# Allegro board mini_trx_layout.brd (continued)
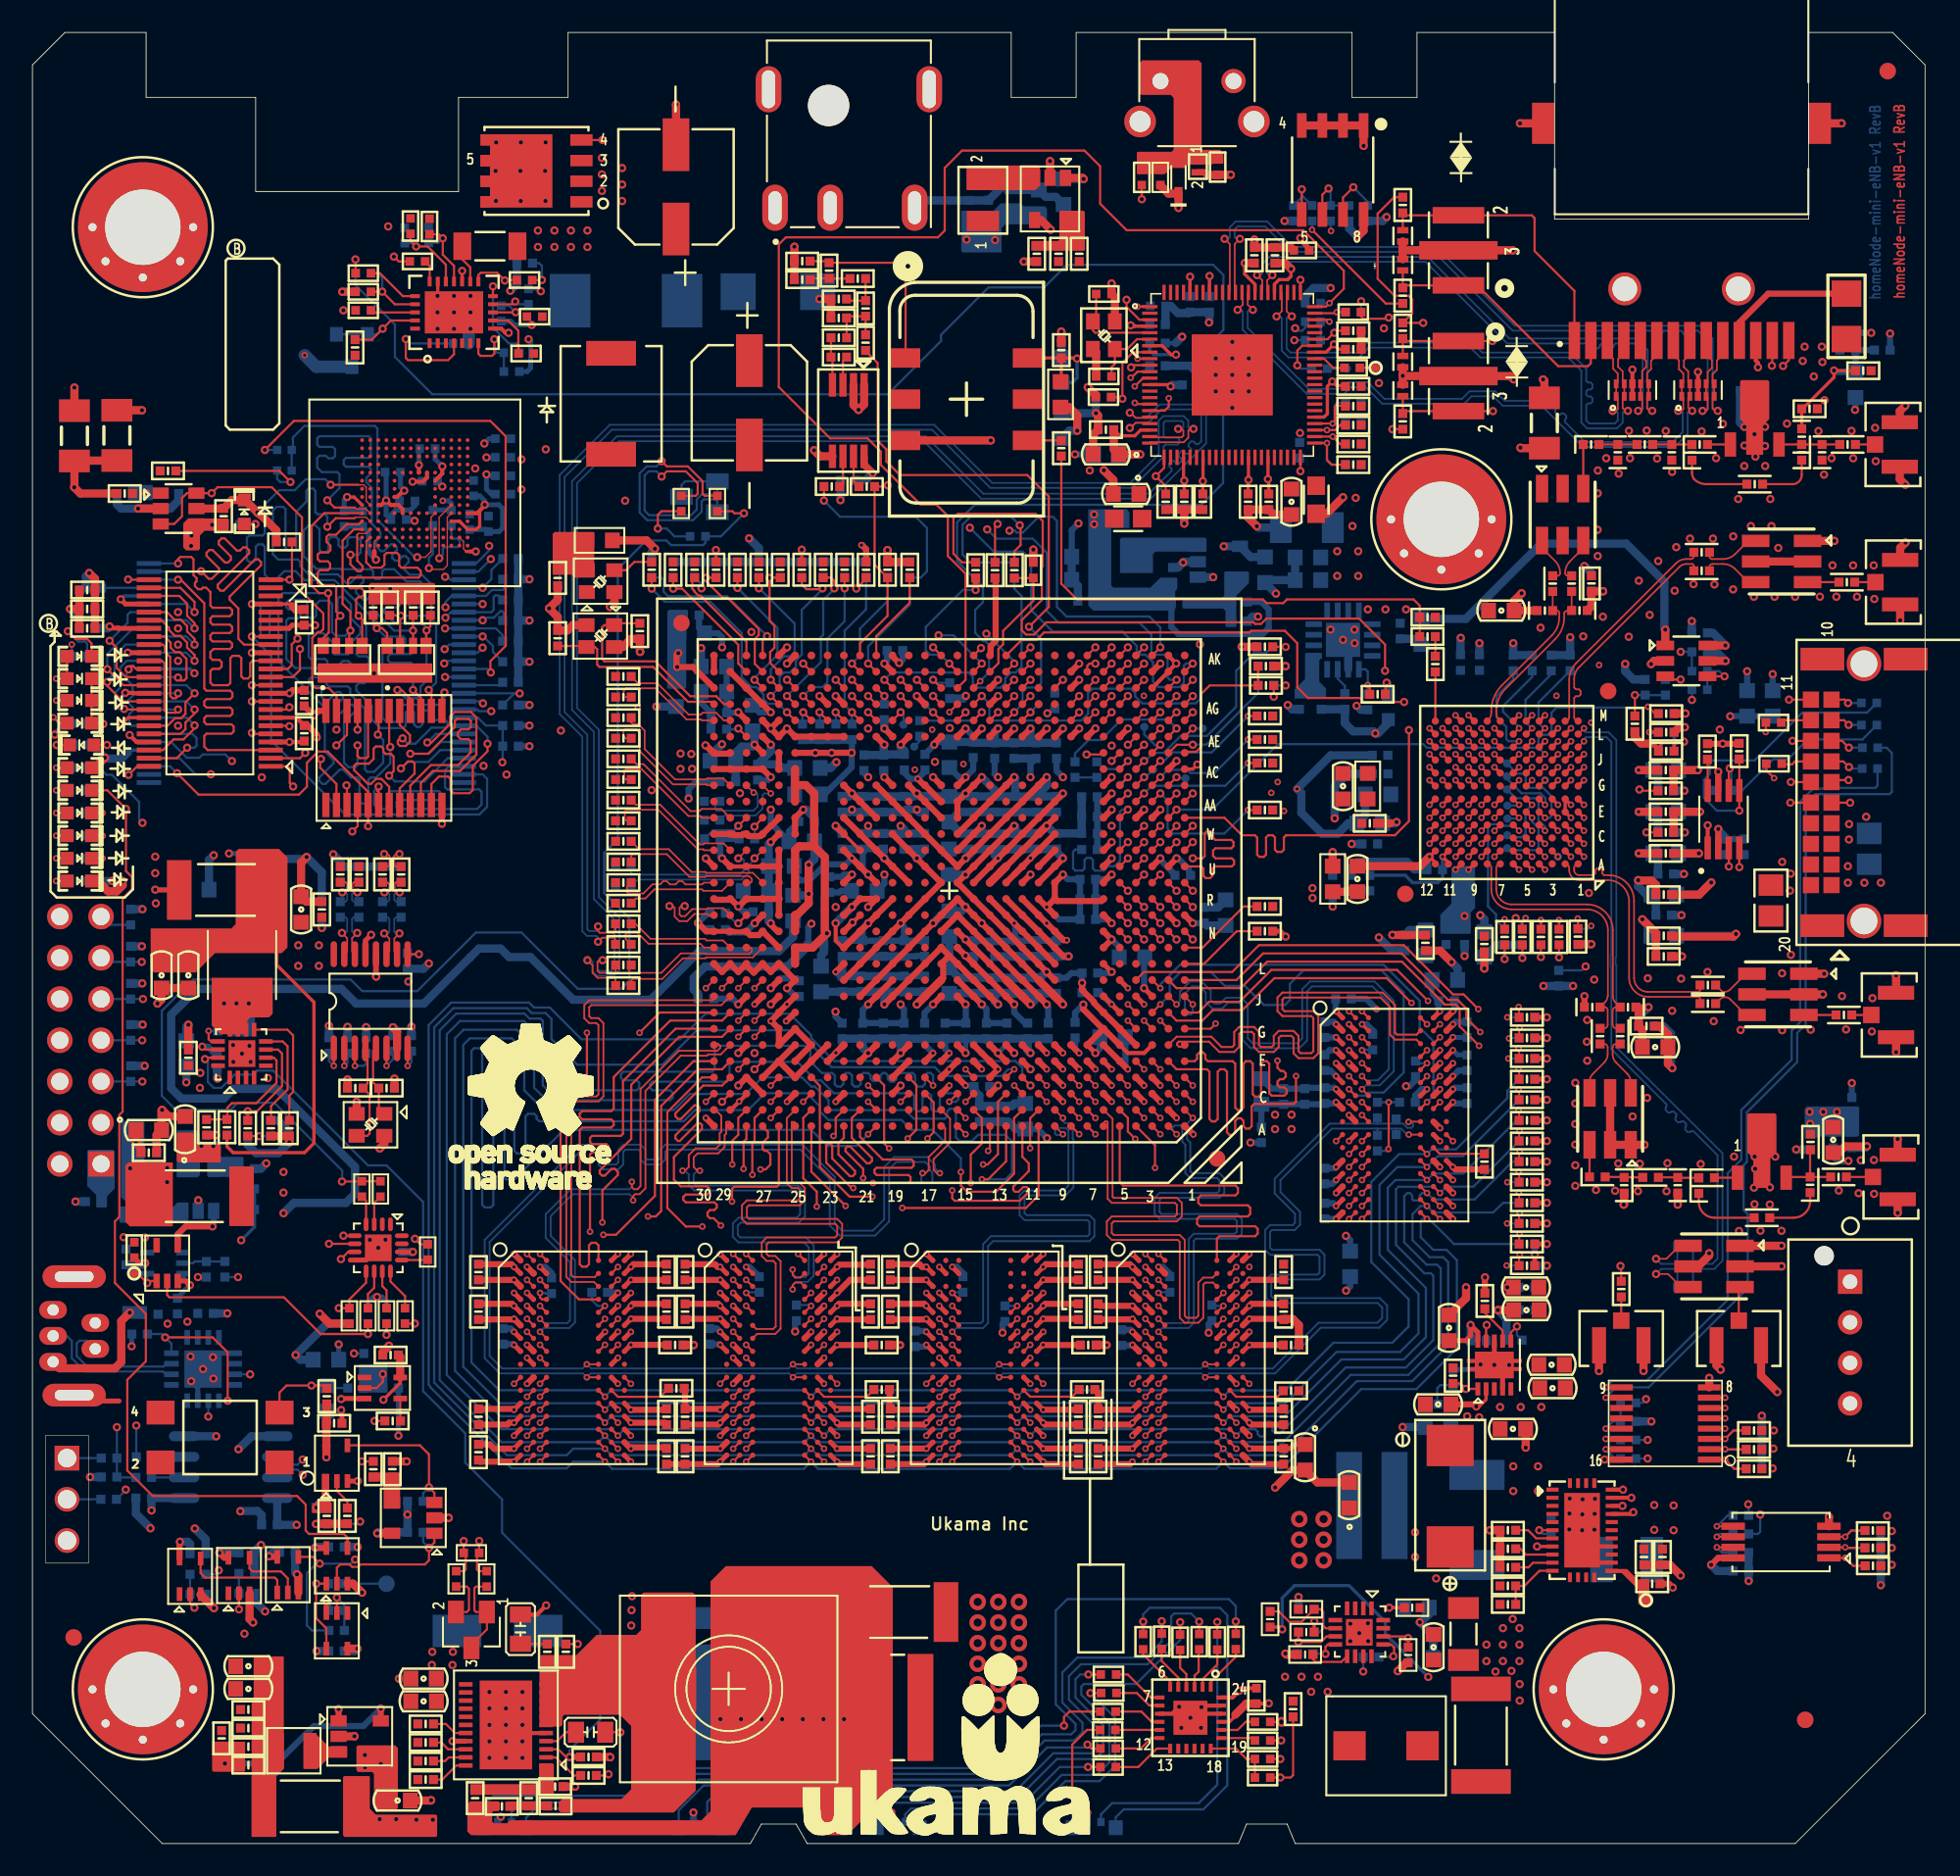
[diagram p0: board, top side]
## Nets (continued)
7130_VDD_PG: R233.2 R292.2 U7.3(PGOOD) U14.15(EN)
7130_VREFCA: C254.1 C311.1 C369.1 C383.1 C391.1 C392.1 C404.1 R313.1 R424.2 U11.H1(VREFDQ) U11.M8(VREFCA) U15.H1(VREFDQ) U15.M8(VREFCA) U23.H1(VREFDQ) U23.M8(VREFCA) U30.H1(VREFDQ) U30.M8(VREFCA) U35.H1(VREFDQ) U35.M8(VREFCA)
7130_VTT: C166.1 C167.1 C168.1 C438.1 C439.1 C449.1 C450.1 R216.2 R217.2 R218.2 R219.2 R220.2 R221.2 R222.2 R223.2 R224.2 R225.2 R226.2 R227.2 R228.2 R452.2 R453.2 R454.2 R455.2 R456.2 R457.2 R458.2 R459.2 R460.2 R461.2 R462.2 R463.2 U42.3(VO) U42.5(VOSNS)
7130_WDI: R8.2 U1.AF13(GPIO5)
AD936X_1V3: C400.1 C411.1 C417.1 L14.1 L15.1 L29.1 L30.1 L31.1 L32.1 L38.1 L39.1 L41.1 R448.2 U65.10(VOUT#10) U65.11(VOUT#11) U65.12(VOUT#12) U65.13(VOUT#13) U65.14(VOUT#14)
AD936X_1V3_PG: R114.2 R450.2 U65.5(PG)
AD936X_1V8: C393.1 C407.1 L28.2 R188.1 R191.1 R192.1 R193.1 R195.1 U3.H12(VDD_INTERFACE)
AD936X_CLKOUT: J18.1 R439.1
AD936X_RESET_L: C133.1 R160.2 R188.2 U3.K5(RESETB)
AD936X_SYNCIN: R468.1 U3.H5(SYNC_IN)
ALLPOWER_PG: U32.4(Y) U34.1(A)
BLUE1: LED11.1(B) R568.1
BLUE2: LED12.1(B) R569.1
BLUE3: LED13.1(B) R570.1
BLUE4: LED14.1(B) R571.1
BUTTON_RESET_IN: R108.1 U1.AF15(GPIO18/PCM_FSYNC0)
BUTTON_RESET_OUT: R372.2 U1.AG16(GPIO19/PCM_BCLK0)
C2_LED_P1_LED0: LED22.1 R617.1 U243.9(C2_LED/P1_LED0/LED_SEL)
CALL_LED: LED8.2 U1.AK16(GPIO15/PCM_BCLK1)
CH1_PA_TEMP_SNS: R100.1 U20.9(P4)
CH2_PA_TEMP_SNS: R626.1 U20.10(P5)
CHASIS_GND: C1.1(A[0]) C3.3(G) C4.3(G) C5.1(A[0]) C19.1(A[0]) D1.2 D2.2 D3.2 D4.2 H1.1 H1.3 H1.4 H1.5 H1.6 H1.7 H2.1 H2.3 H2.4 H2.5 H2.6 H2.7 J12.S1(SHIELD1) J12.S2(SHIELD2) J22.S1(SHIELD) J22.S2(SHIELD__1)
CONFIG_RST_SW: R10.1 R22.2
CRITICAL_TEMP_ALERT: R176.1 R182.2 U5.2(B)
DC_IN_12V: D27.1(ANODE) D28.1 J22.1
DC_OK: R378.2 U16.1(A) U18.4(Y)
DEBUG_USBDM: J7.2(D-) U26.7(USBDM)
DEBUG_USBDP: J7.3(D+) U26.6(USBDP)
EE_CLK_C0_LED_P2_LED0: LED19.1 LED20.1 R612.2 U243.12(EE_CLK/C0_LED/P2_LED0/FLOW)
EE_DOUT_C1_LED: LED21.1 R611.2 R615.1 U243.11(EE_DOUT/C1_LED)
EEPROM_WP: R401.1 U1.AJ15(GPIO14/PCM_FSYNC1)
EFUSE_IN_12V: C607.1 C608.1 D27.2(CATHODE) R547.2 R549.2 R550.2 U246.15(VIN) Z1.1(CATHODE)
EMMC_3V3: C372.1 C374.1 C375.1 C376.1 C377.1 C379.1 C381.1 C382.1 C384.1 C385.1 C386.1 C387.1 NR1.1(N1) NR1.2(N2) NR1.3(N3) NR1.4(N4) NR2.1(N1) NR2.2(N2) NR2.3(N3) NR2.4(N4) R106.1 R159.2 R168.2 R170.2 R174.2 R178.2 R419.1 R420.1 U24.4(D2) U29.C6(VCCQ1) U29.E6(VCC1) U29.F5(VCC2) U29.J10(VCC3) U29.K9(VCC4) U29.M4(VCCQ2) U29.N4(VCCQ3) U29.P3(VCCQ4) U29.P5(VCCQ5)
EMMC_CLK: R420.2 U27.21(B2) U29.M6(CLK)
EMMC_CMD: R419.2 U27.22(B1) U29.M5(CMD)
EMMC_D0: NR1.6(N6) U27.20(B3) U29.A3(DATA0)
EMMC_D1: NR1.7(N7) U27.19(B4) U29.A4(DATA1)
EMMC_D2: NR1.8(N8) U27.18(B5) U29.A5(DATA2)
EMMC_D3: NR1.5(N5) U27.17(B6) U29.B2(DATA3)
EMMC_D4: NR2.5(N5) R178.1 U27.16(B7) U29.B3(DATA4)
EMMC_D5: NR2.6(N6) R174.1 U27.15(B8) U29.B4(DATA5)
EMMC_D6: NR2.7(N7) R170.1 U27.14(B9) U29.B5(DATA6)
EMMC_D7: NR2.8(N8) R168.1 U27.13(B10) U29.B6(DATA7)
ENODEB_IN_12V: C40.2 C41.1 C48.1 C609.1 C657.1 J1.1 J1.2 J23.1 J23.2 Q1.1(S1) Q1.2(S2) Q1.3(S3) R548.2 U8.18(EN) U8.20(PVIN1) U8.21(PVIN2) U8.22(PVIN3) U246.12(OUT)
ETH_SWITCH_RST: R603.2 R604.2 U1.AJ13(GPIO6)
ETH_SWT_INT: R593.2 U1.AH15(GPIO13/PCM_DATA3) U243.66(NTN)
ETH_SWT_LED1_N: LED19.2 R588.1 R614.1 R616.2
ETH_SYNCE: R610.2 U1.AK13(GPIO3)
GPIO11: U1.AK15(GPIO11)
GREEN1: LED11.4(G) R572.1
GREEN2: LED12.4(G) R573.1
GREEN3: LED13.4(G) R574.1
GREEN4: LED14.4(G) R575.1
IO_EXP_INTN: R359.1 U1.AK12(GPIO4)
IOEXP_ADDR0: R204.1 R205.2 U20.1(A0)
IOEXP_ADDR1: R206.1 R207.2 U20.2(A1)
IOEXP_ADDR2: R208.1 R209.2 U20.3(A2)
LED_DRIVER_RST_L: R576.1 R584.1 U1.AG14(GPIO9)
LNA_EN: J23.6 R473.2
MASK_PCIE_RXN: C255.1
MASK_PCIE_RXP: C256.1
MASK_PCIE_TXN: C74.2
MASK_PCIE_TXP: C75.2
MB_I2C_SCL_3P3: R169.2 R358.1 R562.1 R579.1 R622.2 U254.3(SCL1)
MB_I2C_SDA_3P3: R171.2 R357.1 R561.1 R582.1 R623.2 U254.4(SDA1)
MMC_ISOLATE#: R161.1 U24.3(G2) U24.6(D1) U27.23(\\O\E\)
MPG: LED5.1 R236.2 U42.9(PGOOD)
NC1: U1.W5(NC1)
NC2: U1.AK1(NC2)
NO_CPU: R600.2 R601.1 U243.45(P0_OUTD[3]/NO_CPU)
P0_MODE_0: R589.2 R590.1 U243.48(P0_OUTD[0]/P0_MODE[0])
P0_MODE_1: R591.2 R594.1 U243.47(P0_OUTD[1]/P0_MODE[1])
P0_MODE_2: R596.2 R597.1 U243.46(P0_OUTD[2]/P0_MODE[2])
P5_SMODE: R602.2 R605.1 U243.8(C3_LED/P1_LED1/P5_SMODE)
PA_DRIVER_EN: J23.5 R471.2
PA_EN: J23.15 R470.2
PA_ETH_D0N: J12.4(D1-) U243.70(P1_MDIN[0]) U252.2(D1-) U252.9(NC9)
PA_ETH_D0P: J12.3(D1+) U243.69(P1_MDIP[0]) U252.1(D1+) U252.10(NC10)
PA_ETH_D1N: J12.6(D2-) U243.73(P1_MDIN[1]) U252.5(D2-) U252.6(NC6)
PA_ETH_D1P: J12.5(D2+) U243.72(P1_MDIP[1]) U252.4(D2+) U252.7(NC7)
PA_ETH_D2N: J12.8(D3-) U243.76(P1_MDIN[2]) U253.2(D1-) U253.9(NC9)
PA_ETH_D2P: J12.7(D3+) U243.75(P1_MDIP[2]) U253.1(D1+) U253.10(NC10)
PA_ETH_D3N: J12.10(D4-) U243.78(P1_MDIN[3]) U253.5(D2-) U253.6(NC6)
PA_ETH_D3P: J12.9(D4+) U243.77(P1_MDIP[3]) U253.4(D2+) U253.7(NC7)
PCIE0_CLKN: R118.1
PCIE0_CLKP: R119.1
PCIE0_RXN: C72.2
PCIE0_RXP: C73.2
PCIE0_TXN: C243.1
PCIE0_TXP: C244.1
PCIE_REFCLKN: C253.2
PCIE_REFCLKP: C250.2
POWER_EN: R288.1 U5.4(Y) U63.1(EN) U69.1(EN)
PUSH_RESET: C238.1 R300.1 R303.2 SW1.3
R0_LED/P4_LED0/ADDR[0]N: R588.2 U243.17(R0_LED/P4_LED0/ADDR[0]N)
R1_LED/P3_LED1/ADDR[1]N: R587.2 U243.16(R1_LED/P3_LED1/ADDR[1]N)
RED1: LED11.3(R) R580.1
RED2: LED12.3(R) R581.1
RED3: LED13.3(R) R577.1
RED4: LED14.3(R) R578.1
RF_1V8: C112.1 C420.1 C421.1 L12.1 L28.1 U25.1(VCCA) U65.1(VIN#1) U65.2(VIN#2) U65.3(VIN#3) U65.4(EN) U65.15(VIN#15) U65.16(VIN#16)
RF_3V3: C122.1 C437.1 L11.1 L13.2 L33.1 L44.2 L46.2 R450.1 R618.2 U25.5(OE) U25.6(VCCB)
RF_5V: L51.1 L52.2 L53.2
RF_CLK_IN: R201.1 R203.1 R211.2
RF_GPO0: TP33.1(PAD) U1.AB5(RF_GPO0)
RF_GPO1: TP37.1(PAD) U1.AB2(RF_GPO1)
RF_GPO2: TP35.1(PAD) U1.AB4(RF_GPO2)
RF_GPO3: TP32.1(PAD) U1.AA5(RF_GPO3)
RF_RESET_L: R160.1 U25.3(A)
RSVD1: U1.L2(RSVD1)
RSVD2: U1.L3(RSVD2)
RSVD3: U1.L4(RSVD3)
RSVD4: U1.L5(RSVD4)
RSVD5: U1.M2(RSVD5)
RSVD6: U1.M3(RSVD6)
RSVD7: U1.M4(RSVD7)
RSVD8: U1.M5(RSVD8)
RSVD9: U1.AD28(RSVD9)
RSVD10: U1.AF18(RSVD10)
RSVD11: U1.AG19(RSVD11)
RSVD12: U1.AG28(RSVD12)
RSVD13: U1.AK29(RSVD13)
RUN_LED: LED7.2 U1.AG15(GPIO16/PCM_DATA0)
RX: J8.1 R175.1
RX1A_ADI: C174.2 U40.3(IN)
RX1C: J11.1 U43.3(IN)
RX2A_ADI: C173.2 U39.3(IN)
SW_CNTRL: J23.16 R472.2
SYS_5V_PG: U33.4(Y) U34.2(B)
SYS_DC_OK: R97.2 R380.1 U1.AD4(PLL_DC_OK) U34.4(Y)
SYS_RST_L: LED4.2 R2N1.1(A[0]) R4.2 R583.1 R606.2 U1.AH19(CHIP_RESET_L) U16.4(Y) U64.14(RESET#)
TX: J8.2 R183.1
TX1A: C442.2 U66.3(IN)
TX2A: C443.2 U67.3(IN)
UNNAMED_101_NPN_I2_B: Q32.1(B) Q32.3(C) R451.2
UNNAMED_101_NPN_I2_E: Q32.2(E) R467.2
UNNAMED_101_NPN_I19_B: Q31.1(B) Q31.3(C) R422.2
UNNAMED_101_NPN_I19_E: Q31.2(E) R423.2
USB_5V: C123.2 C129.2 R409.1 R411.1 U26.10(VCC) U31.8(VDD2)
USB_RXD: U26.2(RXD) U31.6(VOB)
USB_TXD: U26.15(TXD) U31.7(VIA)
USB_XI: C62.1 U1.AG30(USB_XI) Y2.3
USB_XO: C79.1 U1.AG29(USB_XO) Y2.1
VAUX: U246.24(VAUX)
WP_CAL: J23.11 U20.7(P3)
XTAL_IN: C650.1 U243.5(XTAL_IN) Y4.3
XTAL_OUT: C652.1 U243.6(XTAL_OUT) Y4.1
N377045: C427.2 L37.1 U3.A8(TX2A_P)
N377347: C425.2 L35.1 U3.A7(TX2A_N)
N377425: C146.2 U3.M2(RX1A_N)
N377445: C426.2 L36.1 U3.M8(TX1A_N)
N377469: C422.2 L34.1 U3.M7(TX1A_P)
N377587: C140.2 U3.M12(XTALN)
N377631: C149.2 U3.M1(RX1A_P)
N377739: R445.1 U3.C5(CTRL_IN0)
N377759: R444.1 U3.C6(CTRL_IN1)
N377819: R235.2 U3.L4(RBIAS)
N377823: C162.2 U3.K1(RX1C_P)
N377835: C161.2 U3.L1(RX1C_N)
N378105: R439.2 U3.J6(CLK_OUT)
N378375: TP44.1(PAD) U3.E6(CTRL_OUT3)
N378383: TP42.1(PAD) U3.E5(CTRL_OUT2)
N378391: TP38.1(PAD) U3.E4(CTRL_OUT1)
N378587: TP40.1(PAD) U3.D4(CTRL_OUT0)
N378731: R465.1 U3.D5(CTRL_IN3)
N378743: R466.1 U3.D6(CTRL_IN2)
N379365: R472.1 U3.B5(GPO_2)
N379519: R234.1 U3.L5(AUXADC)
N379621: C140.1 R201.2
N436789: C399.2 R438.1 U3.A11(VDDA1P1_TX_VCO) U3.B11(TX_VOC_LDO_OUT)
N436822: C395.1 R438.2
N440605: R470.1 U3.B4(GPO_3)
N440917: R471.1 U3.B6(GPO_1)
N441229: R473.1 U3.B7(GPO_0)
N450143: TP43.1(PAD) U3.F6(CTRL_OUT4)
N450443: TP41.1(PAD) U3.F5(CTRL_OUT5)
N450447: TP39.1(PAD) U3.F4(CTRL_OUT6)
N470883: C172.1 R237.2
N470887: C171.1 R237.1 U3.G2(RX_VCO_LDO_OUT) U3.G3(VDDA1P1_RX_VCO)
N497620: C149.1 U40.4(OUT1)
N497678: C146.1 U40.6(OUT2)
N506018: C161.1 U43.4(OUT1)
N506026: C162.1 U43.6(OUT2)
N538044: C422.1 U66.4(OUT1)
N538079: C426.1 U66.6(OUT2)
N541425: C425.1 U67.6(OUT2)
N541429: C427.1 U67.4(OUT1)
N635710: TP45.1(PAD) U3.B3(AUXDAC1)
N685064: R469.2 U3.G5(EN_AGC)
N685410: TP46.1(PAD) U3.G4(CTRL_OUT7)
N16949910: C63.1 L9.1 U12.4(VDD)
N16950256: R124.1 U12.3(OUTPUT)
N16950409: TP28.1(PAD) U1.AH17(MSC_SYS_CLKOUT)
N16950424: TP26.1(PAD) U1.AG18(MSC_DSP_CLKOUT)
N16950483: TP27.1(PAD) U1.AH18(MSC_HAB_CLKOUT)
N16950542: TP29.1(PAD) U1.AF16(MSC_CLKOUT)
N16958600: R330.1 U1.AK27(PLL_QLM_REF_CLK_EN)
N17011792: C274.1 C278.1 C293.1 L26.1 U1.AA25(VDD_QLM1_3) U1.AB25(VDD_QLM1_4) U1.AC25(VDD_QLM1_5) U1.L25(VDD_QLM0_1) U1.M25(VDD_QLM0_2) U1.R25(VDD_QLM0_3) U1.T25(VDD_QLM0_4) U1.U25(VDD_QLM1_1) U1.V25(VDD_QLM1_2)
N17013104: C270.1 C271.1 L24.1 U1.N25(VDDTX_QLM0_1) U1.P25(VDDTX_QLM0_2) U1.W25(VDDTX_QLM1_3) U1.Y25(VDDTX_QLM1_4)
N17041994: C262.1 C264.1 L23.1 U1.N26(VDD_QLM0_PLL) U1.W26(VDD_QLM1_PLL)
N17127103: R343.2 U1.P28(QLM0_BAND_RES)
N17127140: R344.2 U1.P27(QLM0_COMP_RES)
N17127277: C64.2 U1.M27(QLM0_RXP0)
N17127320: C65.2 U1.M28(QLM0_RXN0)
N17127662: C67.1 U1.M29(QLM0_TXP0)
N17127699: C66.1 U1.M30(QLM0_TXN0)
N17247286: R233.1 U42.7(EN)
N17247308: C165.1 U42.6(REFOUT)
N17255903: C456.1 R474.2 R475.1 U42.1(REFIN)
N17264878: R189.2 U1.L1(DDR_COMP_DN)
N17264907: R190.2 U1.M1(DDR_COMP_DP)
N17308586: R345.2 U1.AE28(USB_REXT)
N17347925: R431.1 U64.16(WP#/VPP)
N17347927: R390.1 U64.53(BYTE#)
N17352153: R162.2 U22.1(1\O\E\) U22.24(2\O\E\)
N17383137: TP31.1(PAD) U1.AF11(BOOT_DIR)
N17412446: R199.2 U1.AC4(VDD_SMI)
N17420989: R127.2 U1.AK28(QLM1_COM_CLK_EN)
N17613979: TP25.1(PAD) U1.AF19(JTG_TDO)
N19816570: R416.1 U1.AC5(PERST0_L)
N22620877: R214.2 U35.L8(ZQ)
N22623748: R126.2 U11.L8(ZQ)
N22624855: R163.2 U23.L8(ZQ)
N22625970: R200.2 U30.L8(ZQ)
N22627093: R151.2 U15.L8(ZQ)
N22643259: R440.2 U35.D3(DMU)
N22645297: R443.2 U35.E7(DML)
N22648611: R418.2 U30.D3(DMU)
N22651614: R421.2 U30.E7(DML)
N22654933: R356.2 U15.D3(DMU)
N22658266: R366.2 U15.E7(DML)
N22662338: R317.2 U11.D3(DMU)
N22664619: R324.2 U11.E7(DML)
N22669063: R408.2 U23.E7(DML)
N22670170: R405.2 U23.D3(DMU)
N22844512: C423.1 R441.2 R442.2
N26040487: J5.13 R318.2
N26040723: R391.2 U1.AH20(JTG_TRST_L)
N27121622: LED9.1 R111.1
N27122589: LED7.1 R107.1
N27122595: LED8.1 R109.1
N27144602: C30.2 U4.9(SS/TR)
N27144604: C202.2 L3.1 U4.10(PH#10) U4.11(PH#11) U4.12(PH#12)
N27144606: C27.1 R286.1 U4.7(COMP)
N27144621: C201.1 R286.2
N27144623: C28.1 C29.1 L3.2 R61.2 R67.1
N27144635: C202.1 U4.13(BOOT)
N27144645: R61.1 R62.2 U4.6(VSENSE)
N27144685: R63.2 U4.8(RT/CLK)
N27144921: C94.2 U14.9(SS/TR)
N27144923: C247.2 L10.1 U14.10(PH#10) U14.11(PH#11) U14.12(PH#12)
N27144925: C267.1 R137.1 U14.7(COMP)
N27144937: C266.1 R137.2
N27144939: C76.1 C77.1 L10.2 R112.1 R135.2
N27144954: C247.1 U14.13(BOOT)
N27144964: R135.1 R136.2 U14.6(VSENSE)
N27144986: R138.2 U14.8(RT/CLK)
N27169203: C37.1 U7.18(VREG)
N27169238: R87.1 U7.20(MODE)
N27169273: R73.1 U7.22(RF)
N27169308: R78.1 U7.21(TRIP)
N27171135: C214.1 R289.2
N27171149: R289.1 U7.4(VBST)
N27171184: C214.2 C215.2 L8.1 R68.1 U7.6(LL#6) U7.7(LL#7) U7.8(LL#8) U7.9(LL#9) U7.10(LL#10) U7.11(LL#11)
N27171634: C52.1 C53.1 C54.1 C55.1 C204.2 L8.2 R69.2 R71.1 R72.1
N27171650: C35.1 R69.1 R70.2 U7.1(VFB)
N27171802: C35.2 C204.1 R68.2
N27174773: C215.1 R291.2
N27178741: R288.2 U7.2(EN)
N27215911: R435.2 R437.2 U33.2(A)
N27215928: R110.1 U10.1(RESET#) U16.2(B)
N27216005: C276.1 R380.2 U18.2(A)
N27216243: C397.1 R436.2 U32.2(A)
N27216779: C211.1 R293.2 U6.2(A)
N27430859: TP3.1(PAD) U5.1(A) U6.4(Y)
N28291570: C91.1 U13.4(X1/CLK) Y3.3
N28291594: C80.1 U13.5(X2) Y3.1
N28292228: C246.1 R331.2 R332.2
N28292234: C250.1 R334.2 R336.2
N28292240: C253.1 R338.2 R342.2
N28292242: R338.1 U13.14(CLK0N)
N28292264: C245.1 R327.2 R328.2
N28292278: R336.1 U13.15(CLK0P)
N28292560: R117.1 U13.9(IREF)
N28293840: R331.1 U13.11(CLK1P)
N28293868: R328.1 U13.10(CLK1N)
N28294373: R132.2 U13.1(S0)
N28294754: R130.2 U13.2(S1)
N28294786: R128.2 U13.3(SS0)
N28294818: R116.2 U13.8(SS1)
N28294850: R122.2 U13.6(OE)
N28301963: R339.2 U1.Y28(QLM1_BAND_RES)
N28302006: R354.2 U1.Y27(QLM1_COMP_RES)
N28359985: R414.1 U1.AE2(PERST1_L)
N28499038: C235.1 R10.2 R300.2 U57.2(A)
N28500759: R113.1 U10.3(MR#) U17.4(Y)
N37529531: R4.1 R6.1 U25.4(B)
N37586365: C169.1 R232.1 R238.2
N37586373: C152.1 R232.2 U38.1(VG/NC)
N37586451: C154.1 C445.1 L13.1 U38.6(VCC)
N37586583: R241.2 R242.1 U44.4(VOUT)
N37586587: C182.1 R239.1 R240.2 R242.2
N37586775: R241.1 U44.3(VSENSE)
N37650909: LED3.1 R97.1
N37651458: R146.1 U17.2(B)
N37651465: R141.1 R372.1 U17.1(A)
N37686439: C436.2 U65.7(SS)
N37686485: R448.1 R449.2 U65.9(ADJ)
N38213058: R378.1 TP24.1(TP)
N38345660: C71.2 U1.T27(QLM0_RXP1)
N38345697: C70.2 U1.T28(QLM0_RXN1)
N38345795: C68.1 U1.T29(QLM0_TXP1)
N38345832: C69.1 U1.T30(QLM0_TXN1)
N38717127: R108.2 U57.4(Y)
N38737759: R164.2 R165.2 R166.2 U24.1(G1)
N38791044: R119.2 U1.Y29(QLM1_REF_CLK_P)
N38791056: R118.2 U1.Y30(QLM1_REF_CLK_N)
N38808629: R395.1 U1.AF14(GPIO12/PCM_DATA2)
N40392181: C147.2 U3.A1(RX2A_N)
N40392244: C150.2 U3.A2(RX2A_P)
N40936377: R562.2 U19.6(SCL)
N40936405: R140.2 R370.2 U19.3(A2)
N40936407: R145.2 R379.2 U19.2(A1)
N40936492: R148.2 R384.2 U19.1(A0)
N41074281: C174.1 J10.1
N41087231: C465.1 J19.1
N41087321: C654.2 R478.2
N41087323: C457.1 C465.2 C654.1 L45.1 U70.3(RFOUT/VCC)
N41087325: C451.1 C453.2 C653.2 L42.2
N41087331: C442.1 C444.1 L42.1
N41087368: C453.1 U70.1(RFIN)
N41087432: C458.2 C459.2 C461.1 L45.2 L46.1 L52.1
N41087526: C466.2 C656.1 L47.1 U71.3(RFOUT/VCC)
N41087528: C466.1 J20.1
N41087530: C656.2 R479.2
N41087548: C443.1 C447.1 L43.1
N41087557: C452.1 C454.2 C655.2 L43.2
N41087567: C454.1 U71.1(RFIN)
N41087635: C462.2 C463.2 C464.1 L44.1 L47.2 L53.1
N41094150: C173.1 J9.1
N41359438: LED6.1 R106.2
N42046315: R417.2 U1.AH9(BOOT_CE_5_L)
N42252550: R2N1.2(B[0]) R2N2.2(B[0]) U29.K5(NREST)
N42252590: C368.1 C370.1 U29.C2(VDDI)
N42378579: C132.1 R451.1 U28.6(D1+)
N42378600: C131.1 R422.1 U28.5(D2+)
N42378604: R176.2 U28.10(NTHERM)
N42378613: C131.2 C132.2 R172.1(A[0]) R177.1(A[0]) R423.1 R467.1 U28.7(D-)
N42378655: R171.1 U28.12(SDA)
N42378657: R169.1 U28.13(SCL)
N42378741: R181.1 R563.1 U28.9(ADD)
N42378749: R172.2(B[0]) U28.3(D4+)
N42378768: R177.2(B[0]) U28.4(D3+)
N42378865: R173.1 U28.11(NTHERM2)
N42383145: LED2.1 R95.1
N42450862: R180.2 U31.2(VOA)
N42450876: R184.2 U31.3(VIB)
N42451043: J7.1(VBUS) R409.2
N42451093: C116.2 U26.1(VCCIO) U26.8(3V3OUT) U26.9(RESET#)
N42452839: C157.1 C158.1 C159.1 C446.1 C455.1 L40.1 R231.1 R477.1
N42452847: C455.2 R476.2 R477.2 U69.5(VOUT/FB)
N42452875: L40.2 U69.3(SW)
N42452897: C96.1 C97.1 C268.1 C272.1 C284.1 L27.1 R149.1 R388.1
N42452899: C284.2 R375.2 R388.2 U63.5(VOUT/FB)
N42452941: L27.2 U63.3(SW)
N42624203: C222.2 L7.1 U8.1(SW1) U8.2(SW2) U8.3(SW3) U8.4(SW4) U8.5(SW5)
N42624207: C49.1 L7.2 R65.1 R75.2 U8.8(BIAS)
N42624232: R74.2 R75.1 U8.11(FB)
N42624335: C222.1 U8.6(CBOOT)
N42624343: C220.2 U8.7(VCC)
N42624475: C209.2 U8.10(SS/TRK)
N42624491: R294.2 U8.9(RT)
N42694907: R121.2 U1.AF29(USB1_DP)
N42694909: R120.2 U1.AF30(USB1_DM)
N42717331: R395.2 TP51.1(PAD)
N43067466: R1.2 R8.1 U10.4(WDI)
N43208299: R619.2 U44.7(SDA)
N43208302: R620.2 U44.6(SCL)
N43208378: R561.2 U19.5(SDA)
N43211621: C600.2 R545.2 R546.2 U83.5(VOUT/FB)
N43211663: L48.2 U83.3(SW)
N43275465: R583.2 R584.2 U242.18(RST#)
N43315191: R579.2 U242.19(SCL)
N43315200: R582.2 U242.20(SDA)
N43385255: C615.2 R585.1 R586.1 U245.5(VOUT/FB)
N43385297: L50.2 U245.3(SW)
N43486484: C611.1 U246.4(VDD)
N43486486: C612.1 U246.22(VREF)
N43486488: C613.1 U246.9(TIMER)
N43486622: R550.1 R554.2 U246.17(OVLO)
N43486628: R549.1 R553.2 U246.16(UVLO/EN)
N43486642: R552.1 U246.11(PGD)
N43486656: R548.1 R551.2 U246.7(FB)
N43486718: Q1.5(D1) Q1.6(D2) Q1.7(D3) Q1.8(D4) R547.1 U246.14(SENSE)
N43487761: R559.2 U246.19(SDA)
N43487763: R558.2 U246.20(SCL)
N43487767: R556.2 R557.2 U246.21(SMBA#)
N43539411: Q1.4(G) R555.2 U246.13(GATE)
N43728448: R604.1 R606.1 U243.67(RESETN)
N43748365: R613.1 U250.7(WP)
N43748745: R607.2 R611.1 U250.5(SDA)
N43748748: R608.2 R612.1 U250.6(SCL)
N43750978: R595.2 R599.2 U243.65(MDC_CPU)
N43750983: R592.2 R598.2 U243.64(MDIO_CPU)
N43798289: R580.2 U242.1(LED0)
N43798294: R581.2 U242.2(LED1)
N43798299: R577.2 U242.3(LED2)
N43798304: R578.2 U242.4(LED3)
N43798309: R572.2 U242.5(LED4)
N43798314: R573.2 U242.6(LED5)
N43798319: R574.2 U242.7(LED6)
N43798324: R575.2 U242.8(LED7)
N43798329: R568.2 U242.10(LED8)
N43798334: R569.2 U242.11(LED9)
N43798339: R570.2 U242.12(LED10)
N43798344: R571.2 U242.13(LED11)
N43812316: C6.2 D5.1 D6.A R18.2 R22.1 S1.2
N43976624: C610.1 R555.1
N43976789: C606.2 Q34.1(B) Q34.2(C) U246.23(DIODE)
N44032590: R564.2 R565.1 U1.AD2(SMI0_MDIO)
N44032640: R566.1 R567.2 U1.AD1(SMI0_MDC)
N44115168: LED20.2 LED21.2 LED22.2 R587.1
N44115602: J23.12 R627.1
N44115852: J23.9 R105.2
N44115875: J23.10 R628.2
N44141935: R358.2 U20.14(SCL)
N44141941: R357.2 U20.15(SDA)
N44142723: R210.2 R359.2 U20.13(INTN)
N44161184: C4.2(B) D2.1 J12.1 R614.2
N44161189: C4.1(A) D1.1 J12.2 R615.2
N44161549: C3.1(A) D4.1 J12.13 R616.1
N44161621: C3.2(B) D3.1 J12.14 R617.2
N44162954: J12.11(VCC) RV1.2
N44355657: J23.7 R100.2
N44355683: J23.8 R626.2
N44355704: R105.1 R624.2 U254.6(SCL2)
N44355710: R625.2 R628.1 U254.5(SDA2)
N44355739: R621.1 U254.8(EN)
N44356653: J23.14 R104.1
N44374793: C653.1 R478.1
N44374876: C655.1 R479.1
N44383716: C150.1 U39.4(OUT1)
N44383748: C147.1 U39.6(OUT2)
N44414319: R726.2 TP52.1(PAD)
N44414323: R727.2 TP53.1(PAD)
N44414349: R727.1 U243.60(P0_CRS/MDC_PHY/GPIO[8])
N44414351: R726.1 U243.58(P0_COL/MDIO_PHY/GPIO[7])
N373888061: LED5.2 R103.2
N375864650: R211.1 U38.4(OUTPUT)
N376509451: LED4.1 R101.1
N377864440: LED10.1 R114.1
N4337991173: R609.2 U243.1(RSET)
N4337991175: R610.1 U243.3(SE_SCLK)
N4348646421: R560.2 U246.10(PWR)

Pads without a net: J5 12; J7 4; SW1 1 4; U1 A14 A17 A18 A19 A23 AB1 AF9 AF10 AG9 AG10 AH10 AH24 AJ10 AJ16 AJ17 AJ18 AJ23 AJ25 AK8 AK9 AK17 AK18 AK23 B12 B13 B17 B18 B19 B23 C21 C23 D21 D23; U3 A3 C3 G7 H11 M3 M11; U6 1; U8 12 13 14 15 27 28 29 30; U11 J1 J9 L1 L9; U12 1; U15 J1 J9 L1 L9; U18 1; U20 11 12; U23 A2 A3 A7 B7 B8 C2 C3 C7 C8 D7 J1 J9 L1 L9; U26 4 5 11 12 14 16; U27 1; U28 1 2 15 16; U29 A1 A2 A7 A8 A9 A10 A11 A12 A13 A14 B1 B7 B8 B9 B10 B11 B12 B13 B14 C1 C3 C5 C7 C8 C9 C10 C11 C12 C13 C14 D1 D2 D3 D4 D12 D13 D14 E1 E2 E3 E5 E8 E9 E10 E12 E13 E14 F1 F2 F3 F10 F12 F13 F14 G1 G2 G3 G10 G12 G13 G14 H1 H2 H3 H5 H12 H13 H14 J1 J2 J3 J12 J13 J14 K1 K2 K3 K6 K7 K10 K12 K13 K14 L1 L2 L3 L12 L13 L14 M1 M2 M3 M7 M8 M9 M10 M11 M12 M13 M14 N1 N3 N6 N7 N8 N9 N10 N11 N12 N13 N14 P1 P2 P7 P8 P9 P10 P11 P12 P13 P14; U30 J1 J9 L1 L9; U32 1; U33 1; U35 J1 J9 L1 L9; U38 2 5; U57 1; U64 28 30; U65 8; U242 14 15 16 17; U243 2 14 15 24 25 27 28 30 31 32 33 34 35 37 38 40 41 42 43 50 51 52 53 54 55 56 57 62 63 68 79 80 82 83 85 86 87 88; U246 1 2 3

## Via types
v1: diameter 0.508, hole 0.254, TOP to BOTTOM, 1357 vias
v2: diameter 0.406, hole 0.203, TOP to BOTTOM, 827 vias
v3: diameter 0.61, hole 0.305, TOP to BOTTOM, 1 via
v4: diameter 1.016, hole 0.508, TOP to BOTTOM, 24 vias

## Routing (per net, layer and track width the routed paths; a pad name or vN(x,y) marks a point on that pad's centre or on a via; arc(x,y) is an arc through that point)
1V3_TX1: length 6.4
  TOP w0.203: U3.M10 v2(87.67,69.52) ; U3.M9 v2(88.47,69.52)
  TOP w0.508: v1(91.75,77.04) 91.28,76.58 C396.1 L36.2 ; L34.2 96.05,76.24 C416.2 96.76,77.17 v1(96.76,77.17)
  BOTTOM w0.508: C416.2 96.76,77.17 v1(96.76,77.17)
1V3_TX2: length 8.4
  TOP w0.203: U3.A10 v2(87.67,60.01) ; U3.A9 v2(88.47,60.01)
  TOP w0.381: L35.2 v1(99.56,51.54) ; L37.2 v1(95.62,52.22)
  TOP w0.508: L35.2 98.96,51.37 C144.2 99.18,50.14 C141.1
  BOTTOM w0.508: v1(99.56,51.54) 98.96,50.93 C144.2 ; C415.1 88.23,56.36 L30.2 v1(88.23,57.15)
1V5: length 69.6
  BOTTOM w0.508: v1(15.47,38.84) 16.1,39.47 19.31,39.47 19.87,40.03 19.87,41.7 15.06,46.51 12.39,46.51 11.8,45.91 9.18,45.91 8.55,46.54 8.55,51.07 10.14,52.67 19.04,52.67 19.94,51.76 24.12,51.76 26.96,54.61 27.51,55.15 28.85,55.15 29.37,54.62 30.68,54.62 33.31,51.99 38.09,51.99 41.09,54.99 45.99,54.99 46.86,55.86 L24.2
  vias: v1(15.47,41.38) v1(15.47,40.11)
1V8: length 20.2
  TOP w0.203: U1.AC1 71.49,66.21 71.72,66.45 71.73,66.45 v1(71.77,66.49)
  TOP w0.381: U1.Y3 v1(69.49,63.71) ; U1.P1 v1(71.49,56.71) ; v1(70.49,60.71) U1.U2 ; v1(66.49,65.71) U1.AB6 ; v1(66.49,59.71) 66.43,59.71 65.99,59.27 U1.T6 ; v1(66.49,63.71) U1.Y6 ; U1.P6 v1(66.49,56.71) ; v1(66.49,61.71) U1.V6
  BOTTOM w0.381: v1(66.49,59.71) 66.2,59.42 C359.1 C360.1 C361.1 66.25,56.94 v1(66.49,56.71) ; C378.1 72.17,56.71 v1(71.49,56.71) ; C373.1 71.22,60.07 70.58,60.71 v1(70.49,60.71) ; C362.1 C363.1 ; C363.1 66.06,63.28 v1(66.49,63.71) ; C363.1 C364.1 R415.1 66.03,61.25 v1(66.49,61.71)
  BOTTOM w0.508: C378.1 72.34,56.57 C380.1
  vias: v1(21.39,1.5) v1(22.41,1.5) v1(23.65,1.47) v1(24.67,1.47) v2(76.32,64.75) v2(76.72,65.41) v2(77.1,63.63)
1V15: length 10.5
  BOTTOM w0.381: C615.1 75.71,76.51 76.16,76.05 76.16,74.91 75.78,74.53 70.61,74.53 70.17,74.96 R585.2
  vias: v1(65.41,81.9) v1(65.41,81.3)
1V35: length 232.3
  TOP w0.203: v1(88.95,26.93) 89.13,26.93 89.56,27.36 U42.2
  TOP w0.254: U1.F3 68.49,48.71 67.48,48.71 U1.F5
  TOP w0.305: U11.G7 v2(35.27,31.53) ; U35.R1 v2(80.31,39.29) ; R189.1 76.87,56.22 v1(77.21,55.88) ; v2(81.11,50.49) 81.11,50.48 U35.B2 ; U11.H9 v2(36.87,30.73) ; U11.A8 v2(36.07,36.33) ; U23.H9 v2(62.27,30.73) ; U1.F7 v1(65.49,48.71) ; U23.A8 v2(61.47,36.33) ; v2(55.07,25.93) U23.N1 ; v2(55.87,35.53) U23.B2 ; U1.H5 v2(66.49,51.71) U1.J6 ; v2(42.37,36.33) U15.A1 ; U35.N1 v2(80.31,40.89) ; U35.N9 v2(87.51,40.89) ; U11.D9 v2(36.87,33.93) ; U1.E6 v2(66.49,47.71) ; v2(85.91,46.49) 85.91,46.48 U35.G7 ; v2(49.57,34.73) U15.C9 ; v2(68.57,35.53) U30.B2 ; v2(29.67,24.33) U11.R1 ; v2(36.87,25.93) U11.N9 ; U15.D9 v2(49.57,33.93) ; U35.C9 87.14,49.29 87.51,49.66 v2(87.51,49.69) ; 55.11,32.3 v2(55.07,32.33) ; v2(67.49,52.71) U1.K5 ; U30.H9 v2(74.97,30.73) ; v2(74.97,24.33) U30.R9 ; U30.H2 v2(68.57,30.73) ; v2(43.17,33.93) U15.D2 ; U30.K2 v2(68.57,28.33) ; v2(67.77,24.33) U30.R1 ; U23.G7 v2(60.67,31.53) ; U35.K2 v2(81.11,43.29) ; v2(43.17,35.53) U15.B2 ; v2(55.87,33.93) U23.D2 ; U35.E9 v2(87.51,48.09) ; v2(55.87,28.33) U23.K2 ; U30.F1 v2(67.77,32.33) ; v2(81.11,48.88) U35.D2 ; U30.K8 v2(74.17,28.33) ; U30.D2 v2(68.57,33.93) ; v2(74.97,25.93) U30.N9 ; U11.D2 v2(30.47,33.93) ; U15.H9 v2(49.57,30.73) ; U30.A1 v2(67.77,36.33) ; U23.A1 v2(55.07,36.33) ; U11.K8 35.69,28.71 v2(36.07,28.33) ; v2(48.77,36.33) U15.A8 ; v2(49.57,24.33) U15.R9 ; U23.K8 v2(61.47,28.33) ; v2(67.77,25.93) U30.N1 ; U30.A8 v2(74.17,36.33) ; U23.D9 v2(62.27,33.93) ; U35.R9 v2(87.51,39.29) ; U23.E9 v2(62.27,33.13) ; v2(86.71,43.29) U35.K8 ; U30.G7 v2(73.37,31.53) ; v2(74.97,34.73) U30.C9 ; v2(49.57,25.93) U15.N9 ; U35.H9 v2(87.51,45.69) ; U1.J3 v1(68.49,52.71) ; U35.H2 v2(81.11,45.69) ; U15.E9 v2(49.57,33.13) ; v1(7.56,58.78) 7.58,58.76 R112.2 ; v2(80.31,49.68) U35.C1 ; U23.R9 v2(62.27,24.33) ; U30.C1 v2(67.77,34.73) ; U23.H2 v2(55.87,30.73) ; v2(48.77,28.33) U15.K8 ; v2(55.07,34.73) U23.C1 ; v2(36.87,33.13) U11.E9 ; U35.A1 v2(80.31,51.29) ; v2(29.67,25.93) U11.N1 ; C135.1 77.49,24.34 77.74,24.59 C106.1 ; U11.C9 v2(36.87,34.73) ; U35.A8 v2(86.71,51.29) ; U1.L6 v1(66.49,53.71) ; U35.D9 v2(87.51,48.89) ; v2(74.97,33.13) U30.E9 ; U15.N1 v2(42.37,25.93) ; U23.C9 v2(62.27,34.73) ; U35.F1 v2(80.31,47.29) ; v2(74.97,33.93) U30.D9 ; U23.N9 v2(62.27,25.93) ; v2(55.07,24.33) U23.R1
  TOP w0.381: C102.1 50.37,34.73 v2(49.57,33.93) ; v2(63.49,45.71) U1.C9 ; U15.G7 v2(47.97,31.53) ; C60.1 29.64,32.3 v2(29.67,32.33) U11.F1 ; U1.E19 v1(53.49,48.71) U1.F18 ; C59.1 29.26,25.82 29.38,25.93 v2(29.67,25.93) ; C121.1 62.28,30.72 v2(62.27,30.73) ; C126.1 67.74,32.3 v2(67.77,32.33) ; U1.F15 v1(57.49,48.71) ; v2(49.49,45.71) U1.C22 ; U1.E25 U1.F24 U1.G25 U1.F26 U1.G26 45.52,50.68 v2(45.49,50.68) 45.99,51.17 U1.H26 v2(46.49,51.71) U1.J25 ; v2(67.77,25.93) 67.66,25.82 C125.1 ; U11.K2 v2(30.47,28.33) ; U1.F11 v1(61.49,48.71) ; U15.H2 v2(43.17,30.73) ; v2(49.57,33.13) 49.7,33.26 C101.1 ; C85.1 39.1,30.73 v2(36.87,30.73) ; v2(67.77,34.73) 67.77,34.73 C127.1 ; C81.1 38.99,24.41 36.95,24.41 v2(36.87,24.33) U11.R9 ; v2(62.27,34.73) 62.27,34.73 C120.1 ; U1.G6 U1.F5 ; U1.G6 65.93,50.21 64.74,51.41 v1(64.74,51.7) ; U1.G6 U1.F7 ; C108.1 54.96,25.82 v2(55.07,25.93) ; C139.1 74.98,30.72 v2(74.97,30.73) ; U1.E14 v2(58.49,47.71) ; U11.H2 v2(30.47,30.73) ; v1(43.49,46.71) U1.D28 U1.C27 ; U1.C16 v2(56.49,46.71) ; C110.1 52.86,34.73 v2(55.07,34.73) ; U1.C6 v2(66.49,45.71) ; v1(45.49,52.71) U1.K26 ; v2(74.97,25.93) 75.08,25.82 C136.1 ; v2(62.49,47.71) U1.E10 ; C58.1 28.18,24.6 28.44,24.33 v2(29.67,24.33) ; U1.C4 v2(68.49,45.71) ; U15.F1 v2(42.37,32.33) 40.24,32.33 C89.1 ; U1.C25 v2(46.49,45.71) ; C88.1 42.26,25.82 v2(42.37,25.93) ; v2(67.77,24.33) 67.76,24.34 C124.1 ; U15.R1 v2(42.37,24.33) 40.21,24.33 C87.1 ; v2(74.97,24.33) 74.98,24.34 C135.1 ; U11.C1 v2(29.67,34.73) 27.48,34.73 C61.1 ; v2(49.57,24.33) 51.63,24.33 C99.1 ; C138.1 74.97,34.73 v2(74.97,34.73) ; v2(49.57,25.93) 49.68,25.82 C100.1 ; v2(55.07,24.33) 55.06,24.34 C107.1 ; v2(62.27,25.93) 62.38,25.82 C118.1 ; v2(62.27,24.33) 62.28,24.34 C117.1 ; U1.E23 U1.F22 49.5,48.72 v2(49.5,48.72) ; U1.E12 U1.F13 v1(59.49,48.71) ; v1(43.49,51.71) U1.J28 ; U1.E21 U1.F20 v1(51.49,48.71) ; C137.1 75.1,33.26 v2(74.97,33.13) ; C109.1 54.64,32.3 55.11,32.3 U23.F1 ; C178.1 88.83,27.06 v1(88.95,26.93) ; C82.1 38.95,25.93 v2(36.87,25.93) ; v2(36.87,33.13) 37,33.26 C83.1 ; v2(43.17,28.33) U15.K2 ; U15.C1 v2(42.37,34.73) 40.21,34.73 C90.1 ; C105.1 49.58,30.72 v2(49.57,30.73) ; U11.A1 v2(29.67,36.33) ; v2(64.49,47.71) U1.E8 ; v2(62.27,33.13) 62.4,33.26 C119.1 ; U1.E16 v2(56.49,48.71) ; U11.B2 v2(30.47,35.53) ; C84.1 39.06,34.73 v2(36.87,34.73) ; U1.E17 v2(55.49,48.71) ; v1(59.49,46.71) U1.C13 ; U1.D3 v2(69.49,46.71) ; U1.F9 v2(63.49,48.71) ; U1.C19 v1(53.49,46.71) ; U1.F28 v1(43.49,48.71)
  BOTTOM w0.305: C394.1 86.23,52.36 86.46,52.13 86.46,52.11 C428.1 ; v1(12.11,61.01) 13.13,61.01 13.48,60.67 C241.1 ; C239.1 v1(7.56,58.78) ; v2(87.51,49.69) 87.53,49.67 C431.1 ; C332.1 58.77,49.42 v1(59.49,48.71) 60.04,49.27 C339.1 ; C324.1 57.5,48.73 v1(57.49,48.71) ; C432.1 87.8,48.6 v2(87.51,48.89) ; C331.1 v1(18.87,30.76)
  BOTTOM w0.381: v2(49.5,48.72) 49.5,48.72 49.88,49.11 ; C316.1 54.96,49.23 v2(55.49,48.71) ; v1(64.74,51.7) 64.23,51.19 C358.1 ; C408.1 80.29,51.31 v2(80.31,51.29) ; C365.1 66.42,53.64 v1(66.49,53.71) ; C318.1 56.23,48.96 v2(56.49,48.71) ; C299.1 52.37,49.59 v1(51.49,48.71) ; C403.1 79.96,47.64 v2(80.31,47.29) ; R424.1 75.71,43.19 v1(75.04,43.19) ; v1(43.49,51.71) 43.13,52.06 C251.1 ; C406.1 80.15,39.45 v2(80.31,39.29) ; v2(85.91,46.49) 85.58,46.49 85.19,46.09 C423.2 ; v1(80.92,37.45) 81.18,37.19 C410.1 ; C367.1 65.76,48.98 v1(65.49,48.71) ; v1(45.49,52.71) 46.09,53.31 47.09,53.31 C269.1 ; C405.1 79.63,40.65 80.08,40.65 v2(80.31,40.89) ; C402.1 80.3,49.67 v2(80.31,49.68) ; C366.1 65.76,52.44 v2(66.49,51.71) ; v1(59.49,46.71) 59.42,46.64 R407.1 ; v2(87.51,45.69) 87.59,45.61 C433.1 ; v1(68.49,52.71) 68.49,54.57 C371.1 ; v2(86.71,51.29) 86.64,51.36 C428.1
  BOTTOM w0.508: C291.1 C283.1 49.88,49.11 ; C291.1 C309.1 ; C291.1 51.15,49.04 v1(51.49,48.71) ; C346.1 C339.1 C324.1 C318.1 C316.1 C309.1 ; C346.1 C352.1 ; C346.1 61.31,48.88 v1(61.49,48.71) ; C309.1 53.49,49.39 v1(53.49,48.71)
  vias: v1(7.56,60.81) v1(7.56,59.8) v1(7.6,57.94) v1(76.55,44.91) v1(76.55,44.02) v1(77.57,44.91) v1(77.57,44.02) v1(88.39,26.33) v1(89.13,26.26)
